# Altium PCB UmTRXv2.PcbDoc (part 15 of 25)
Units mm, origin at the board's own origin, x right, y up, seen from the top; angles counter-clockwise.
Board outline 159.5 x 99.5 mm, 6 copper layers (Top Layer, GND, MidLayer1, Mid-Layer 2, InternalPlane2, Bottom Layer), stack 1.526 mm thick; 708 components, 578 nets, 2802 pads, 1408 vias.
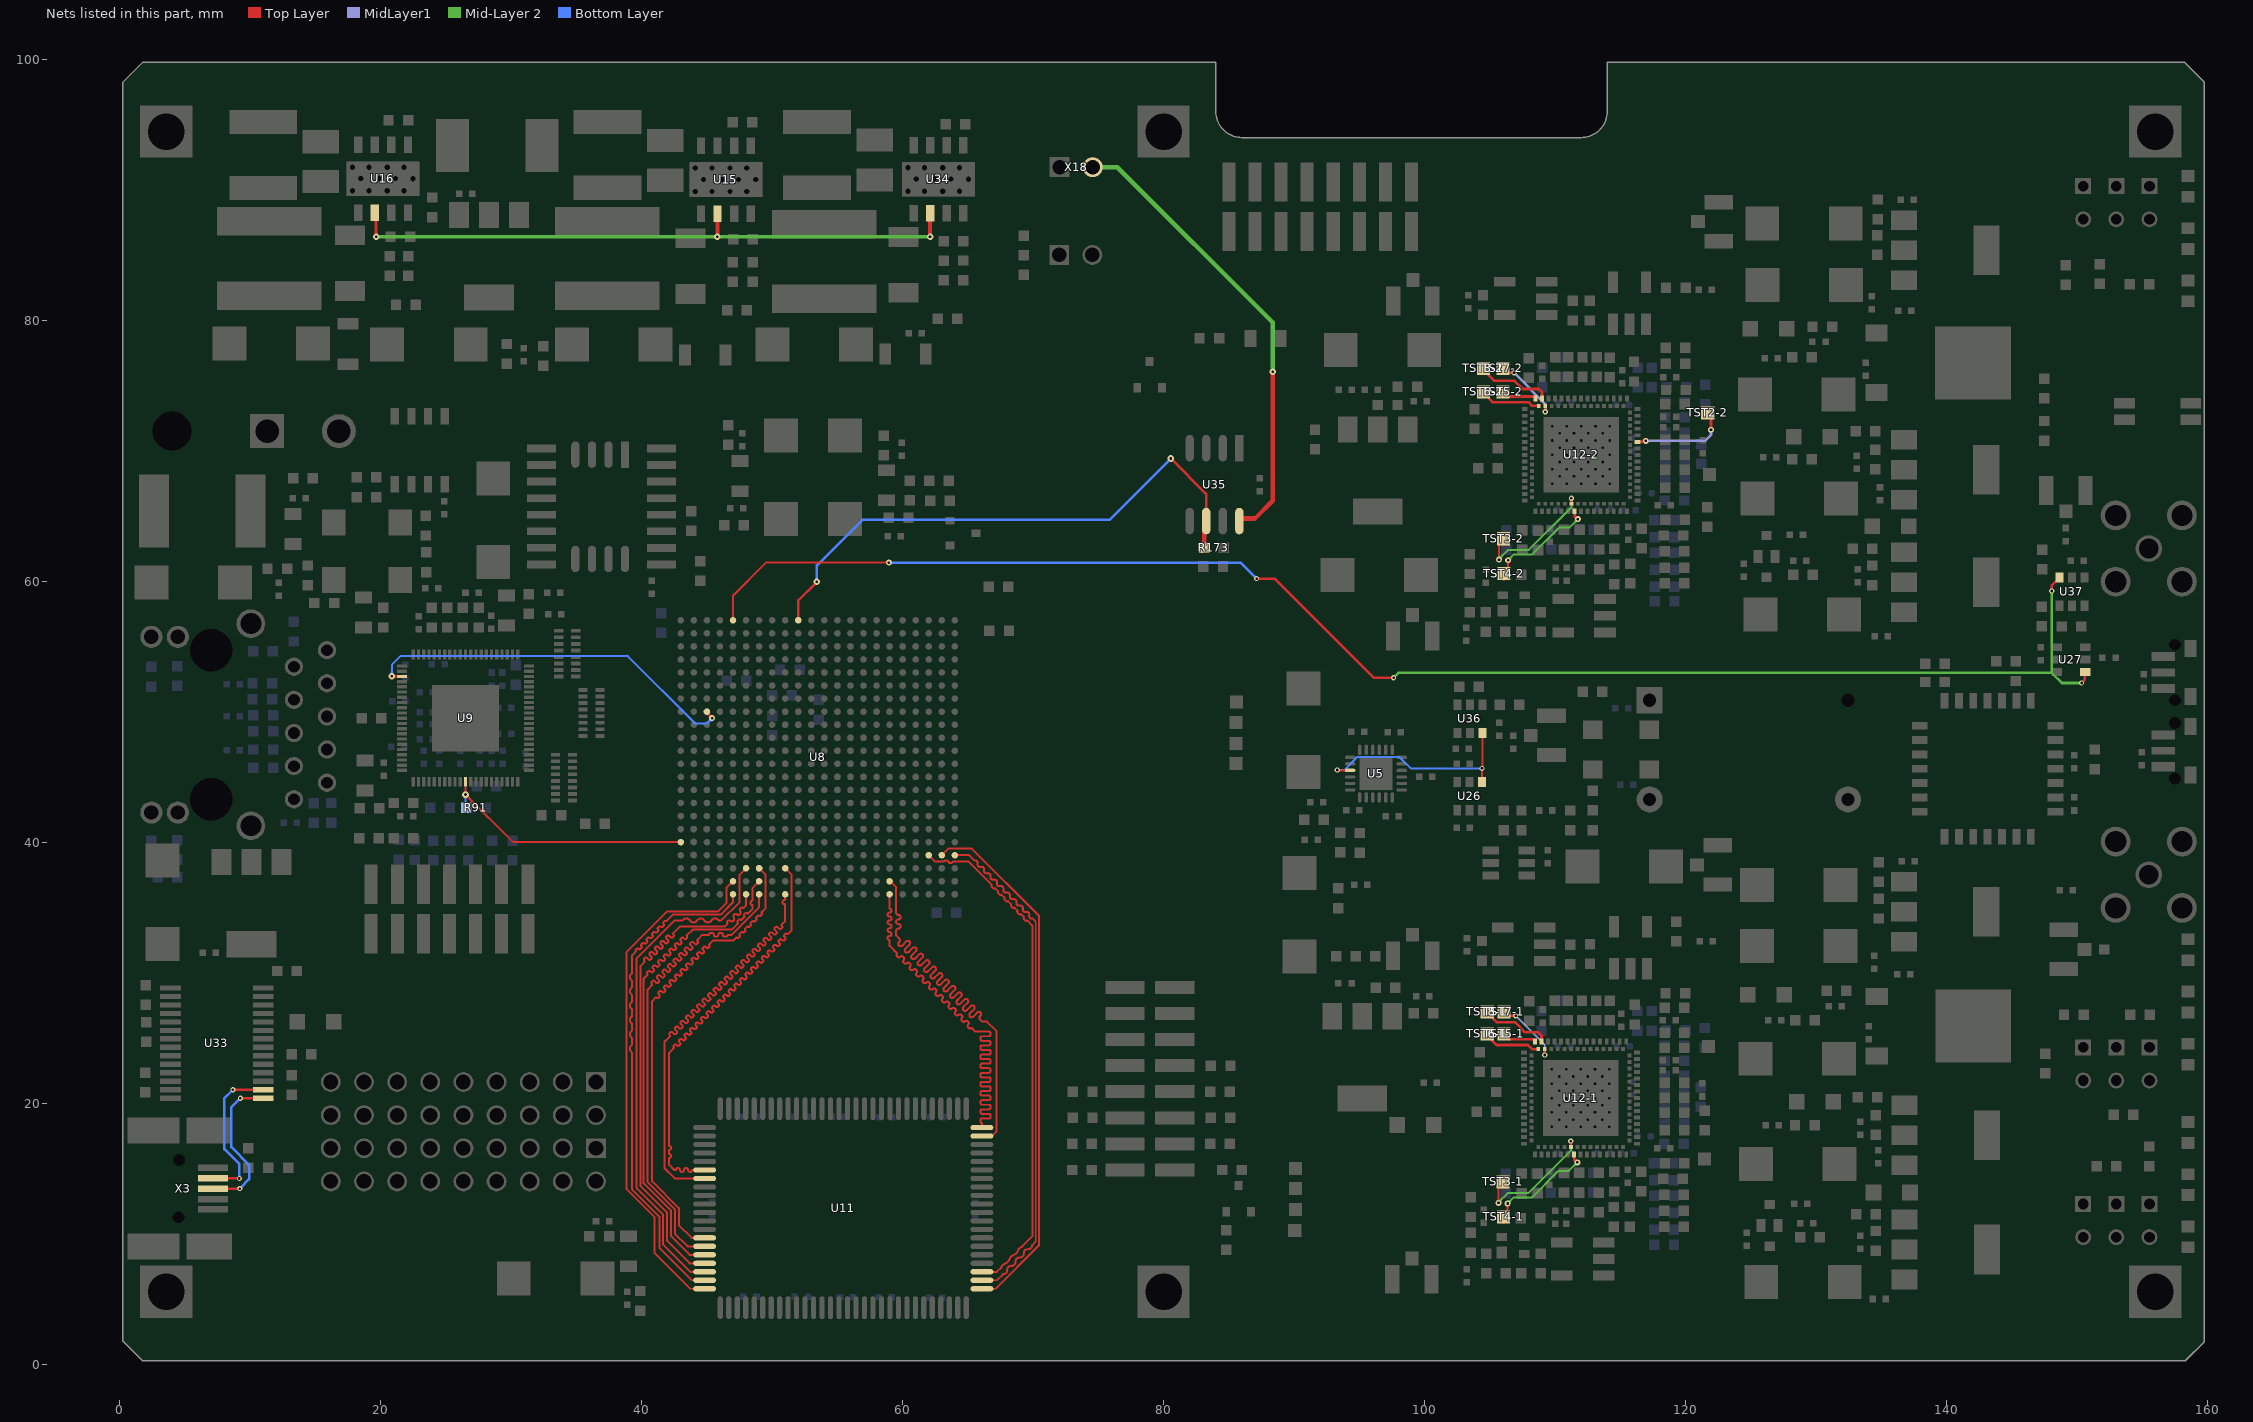
[diagram p19: the nets of this part, all layers, seen from the top]

## Via types
v1: diameter 0.5, hole 0.2, Top Layer to Bottom Layer, tented both sides, 441 vias
v2: diameter 0.45, hole 0.2, Top Layer to Bottom Layer, tented both sides, 429 vias
v3: diameter 0.7, hole 0.3, Top Layer to Bottom Layer, tented both sides, 258 vias
v4: diameter 0.4, hole 0.2, Top Layer to Bottom Layer, tented both sides, 197 vias
v5: diameter 0.8, hole 0.3, Top Layer to Bottom Layer, tented both sides, 61 vias
v6: diameter 0.6, hole 0.25, Top Layer to Bottom Layer, tented both sides, 16 vias
v7: diameter 0.6, hole 0.3, Top Layer to Bottom Layer, tented both sides, 4 vias
v8: diameter 1, hole 0.5, Top Layer to Bottom Layer, tented both sides, 2 vias

## Nets (pads, with @x,y where several pads share a name; then routed paths per layer and width w, separated by ;. In a path a pad name is that pad's centre, name@x,y a point inside that pad or via, vN(x,y) a via of type N, cw(c..) or ccw(c..) an arc to the next point about the centre after c; other vN are vias at no path point) (continued)
NetTST2-2_1: TST2-2.1 U12-2.77 | length 13
  Top Layer w0.2: U12-2.77@116.321,70.68 116.88,70.68 v2(116.95,70.75) ; TST2-2.1@121.7,72.9 121.95,72.65 v2(121.95,71.6) ; U12-2.77@116.479,70.68 ccw(c116.479,71.221) v2@116.862,70.838 ; U12-2.77@116.479,70.68 ccw(c116.479,71.221) v2@116.862,70.838 ; U12-2.77@116.479,70.68 ccw(c116.479,71.221) v2@116.862,70.838 ; v2@121.862,71.688 ccw(c121.648,71.902) 121.95,71.902 ; v2@121.862,71.688 ccw(c121.648,71.902) 121.95,71.902 ; v2@121.862,71.688 ccw(c121.648,71.902) 121.95,71.902 ; 121.95,71.902 ccw(c122.252,71.902) v2@122.038,71.688 ; 121.95,71.902 ccw(c122.252,71.902) v2@122.038,71.688 ; 121.95,71.902 ccw(c122.252,71.902) v2@122.038,71.688
  MidLayer1 w0.2: v2(116.95,70.75) 121.5,70.75 121.95,71.2 v2@121.95,71.441 ; v2@117.038,70.662 cw(c117.252,70.448) 117.252,70.75 ; v2@117.038,70.662 cw(c117.252,70.448) 117.252,70.75 ; v2@117.038,70.662 cw(c117.252,70.448) 117.252,70.75 ; v2@117.038,70.838 ccw(c117.252,71.052) 117.252,70.75 ; v2@117.038,70.838 ccw(c117.252,71.052) 117.252,70.75 ; v2@117.038,70.838 ccw(c117.252,71.052) 117.252,70.75 ; v2@121.862,71.512 cw(c121.648,71.298) 121.95,71.298 ; v2@121.862,71.512 cw(c121.648,71.298) 121.95,71.298 ; v2@121.862,71.512 cw(c121.648,71.298) 121.95,71.298 ; 121.95,71.298 cw(c122.252,71.298) v2@122.038,71.512 ; 121.95,71.298 cw(c122.252,71.298) v2@122.038,71.512 ; 121.95,71.298 cw(c122.252,71.298) v2@122.038,71.512
NetTST3-1_1: TST3-1.1 U12-1.41 | length 17.1
  Top Layer w0.15: v2(105.661,12.358) 105.661,13.608 TST3-1.1@106.011,13.958 ; v2@105.555,12.464 ccw(c105.299,12.72) 105.661,12.72 ; v2@105.555,12.464 ccw(c105.299,12.72) 105.661,12.72 ; v2@105.555,12.464 ccw(c105.299,12.72) 105.661,12.72 ; 105.661,12.72 ccw(c106.023,12.72) v2@105.767,12.464 ; 105.661,12.72 ccw(c106.023,12.72) v2@105.767,12.464 ; 105.661,12.72 ccw(c106.023,12.72) v2@105.767,12.464
  Top Layer w0.2: U12-1.41@111.207,16.638 v4@111.207,17.063 ; v4@111.136,17.017 cw(c110.966,16.847) 111.207,16.847 ; v4@111.136,17.017 cw(c110.966,16.847) 111.207,16.847 ; v4@111.136,17.017 cw(c110.966,16.847) 111.207,16.847 ; 111.207,16.847 cw(c111.448,16.847) v4@111.278,17.017 ; 111.207,16.847 cw(c111.448,16.847) v4@111.278,17.017 ; 111.207,16.847 cw(c111.448,16.847) v4@111.278,17.017
  Mid-Layer 2 w0.15: v4(111.207,17.088) 111.207,16.354 107.961,13.108 106.361,13.108 105.661,12.408 v2(105.661,12.358) ; v2(105.661,12.358) ccw(c105.565,12.658) 105.87,12.577 ; v2(105.661,12.358) ccw(c105.565,12.658) 105.87,12.577 ; v2(105.661,12.358) ccw(c105.565,12.658) 105.87,12.577 ; v2@105.661,12.508 ccw(c105.661,12.75) 105.832,12.579 ; v2@105.661,12.508 ccw(c105.661,12.75) 105.832,12.579 ; v2@105.661,12.508 ccw(c105.661,12.75) 105.832,12.579 ; v2@105.811,12.358 cw(c106.294,12.358) 105.952,12.7 ; v2@105.811,12.358 cw(c106.294,12.358) 105.952,12.7 ; v2@105.811,12.358 cw(c106.294,12.358) 105.952,12.7 ; v4@111.119,17 cw(c110.905,16.786) 111.207,16.786 ; v4@111.119,17 cw(c110.905,16.786) 111.207,16.786 ; v4@111.119,17 cw(c110.905,16.786) 111.207,16.786 ; 111.207,16.786 cw(c111.509,16.786) v4@111.295,17 ; 111.207,16.786 cw(c111.509,16.786) v4@111.295,17 ; 111.207,16.786 cw(c111.509,16.786) v4@111.295,17
NetTST3-2_1: TST3-2.1 U12-2.41 | length 17.3
  Top Layer w0.15: v2(105.7,61.65) 105.7,62.9 TST3-2.1@106.05,63.25 ; U12-2.41@111.246,65.93 111.25,65.934 v4(111.25,66.35) ; v2@105.594,61.756 ccw(c105.338,62.012) 105.7,62.012 ; v2@105.594,61.756 ccw(c105.338,62.012) 105.7,62.012 ; v2@105.594,61.756 ccw(c105.338,62.012) 105.7,62.012 ; 105.7,62.012 ccw(c106.062,62.012) v2@105.806,61.756 ; 105.7,62.012 ccw(c106.062,62.012) v2@105.806,61.756 ; 105.7,62.012 ccw(c106.062,62.012) v2@105.806,61.756 ; v4@111.162,66.262 cw(c110.948,66.048) U12-2.41@111.25,66.048 ; v4@111.162,66.262 cw(c110.948,66.048) U12-2.41@111.25,66.048 ; v4@111.162,66.262 cw(c110.948,66.048) U12-2.41@111.25,66.048 ; U12-2.41@111.25,66.048 cw(c111.552,66.048) v4@111.338,66.262 ; U12-2.41@111.25,66.048 cw(c111.552,66.048) v4@111.338,66.262 ; U12-2.41@111.25,66.048 cw(c111.552,66.048) v4@111.338,66.262
  Mid-Layer 2 w0.15: v4@111.246,66.38 111.246,65.646 108,62.4 106.4,62.4 105.7,61.7 v2(105.7,61.65) ; v2(105.7,61.65) ccw(c105.604,61.95) 105.909,61.869 ; v2(105.7,61.65) ccw(c105.604,61.95) 105.909,61.869 ; v2(105.7,61.65) ccw(c105.604,61.95) 105.909,61.869 ; v2@105.7,61.8 ccw(c105.7,62.041) 105.871,61.871 ; v2@105.7,61.8 ccw(c105.7,62.041) 105.871,61.871 ; v2@105.7,61.8 ccw(c105.7,62.041) 105.871,61.871 ; v2@105.85,61.65 cw(c106.333,61.65) 105.991,61.991 ; v2@105.85,61.65 cw(c106.333,61.65) 105.991,61.991 ; v2@105.85,61.65 cw(c106.333,61.65) 105.991,61.991 ; v4@111.162,66.262 cw(c110.958,66.058) 111.246,66.058 ; v4@111.162,66.262 cw(c110.958,66.058) 111.246,66.058 ; v4@111.162,66.262 cw(c110.958,66.058) 111.246,66.058 ; 111.246,66.038 cw(c111.562,66.038) v4@111.338,66.262 ; 111.246,66.038 cw(c111.562,66.038) v4@111.338,66.262 ; 111.246,66.038 cw(c111.562,66.038) v4@111.338,66.262
NetTST4-1_1: TST4-1.1 U12-1.42 | length 14.9
  Top Layer w0.15: TST4-1.1@106.061,10.808 106.361,11.108 v2(106.361,12.308) ; v2@106.255,12.202 cw(c105.999,11.946) 106.361,11.946 ; v2@106.255,12.202 cw(c105.999,11.946) 106.361,11.946 ; v2@106.255,12.202 cw(c105.999,11.946) 106.361,11.946 ; 106.361,11.946 cw(c106.723,11.946) v2@106.467,12.202 ; 106.361,11.946 cw(c106.723,11.946) v2@106.467,12.202 ; 106.361,11.946 cw(c106.723,11.946) v2@106.467,12.202
  Top Layer w0.2: U12-1.42@111.457,16.063 111.457,15.662 ; v2(111.711,15.458) 111.661,15.458 111.457,15.662 ; 111.457,15.662 ccw(c111.657,15.862) v2@111.694,15.582 ; 111.457,15.662 ccw(c111.657,15.862) v2@111.694,15.582 ; 111.457,15.662 ccw(c111.657,15.862) v2@111.694,15.582
  Mid-Layer 2 w0.15: v2(106.361,12.308) 106.811,12.758 108.211,12.758 110.261,14.808 111.061,14.808 v2(111.711,15.458) ; v2@106.361,12.458 ccw(c106.361,12.82) 106.617,12.564 ; v2@106.361,12.458 ccw(c106.361,12.82) 106.617,12.564 ; v2@106.361,12.458 ccw(c106.361,12.82) 106.617,12.564 ; v2@106.511,12.308 cw(c106.873,12.308) 106.617,12.564 ; v2@106.511,12.308 cw(c106.873,12.308) 106.617,12.564 ; v2@106.511,12.308 cw(c106.873,12.308) 106.617,12.564 ; 111.455,15.202 cw(c111.711,14.946) v2@111.711,15.308 ; 111.455,15.202 ccw(c111.199,15.458) v2@111.561,15.458 ; 111.455,15.202 ccw(c111.199,15.458) v2@111.561,15.458 ; 111.455,15.202 cw(c111.711,14.946) v2@111.711,15.308 ; 111.455,15.202 ccw(c111.199,15.458) v2@111.561,15.458 ; 111.455,15.202 cw(c111.711,14.946) v2@111.711,15.308
NetTST4-2_1: TST4-2.1 U12-2.42 | length 14.9
  Top Layer w0.15: TST4-2.1@106.1,60.1 106.4,60.4 v2(106.4,61.6) ; v2@106.294,61.494 cw(c106.038,61.238) 106.4,61.238 ; v2@106.294,61.494 cw(c106.038,61.238) 106.4,61.238 ; v2@106.294,61.494 cw(c106.038,61.238) 106.4,61.238 ; 106.4,61.238 cw(c106.762,61.238) v2@106.506,61.494 ; 106.4,61.238 cw(c106.762,61.238) v2@106.506,61.494 ; 106.4,61.238 cw(c106.762,61.238) v2@106.506,61.494
  Top Layer w0.2: U12-2.42@111.496,65.355 111.496,64.954 ; v2(111.75,64.75) 111.7,64.75 111.496,64.954 ; 111.496,64.954 ccw(c111.696,65.154) v2@111.733,64.874 ; 111.496,64.954 ccw(c111.696,65.154) v2@111.733,64.874 ; 111.496,64.954 ccw(c111.696,65.154) v2@111.733,64.874
  Mid-Layer 2 w0.15: v2(106.4,61.6) 106.85,62.05 108.25,62.05 110.3,64.1 111.1,64.1 v2(111.75,64.75) ; v2@106.4,61.75 ccw(c106.4,62.112) 106.656,61.856 ; v2@106.4,61.75 ccw(c106.4,62.112) 106.656,61.856 ; v2@106.4,61.75 ccw(c106.4,62.112) 106.656,61.856 ; v2@106.55,61.6 cw(c106.912,61.6) 106.656,61.856 ; v2@106.55,61.6 cw(c106.912,61.6) 106.656,61.856 ; v2@106.55,61.6 cw(c106.912,61.6) 106.656,61.856 ; 111.494,64.494 cw(c111.75,64.238) v2@111.75,64.6 ; 111.494,64.494 ccw(c111.238,64.75) v2@111.6,64.75 ; 111.494,64.494 ccw(c111.238,64.75) v2@111.6,64.75 ; 111.494,64.494 cw(c111.75,64.238) v2@111.75,64.6 ; 111.494,64.494 ccw(c111.238,64.75) v2@111.6,64.75 ; 111.494,64.494 cw(c111.75,64.238) v2@111.75,64.6
NetTST5-1_1: TST5-1.1 U12-1.116 | length 2.6
  Top Layer w0.2: TST5-1.1@106.1,25.3 106.512,24.888 108.282,24.888 U12-1.116@108.457,24.713
NetTST5-2_1: TST5-2.1 U12-2.116 | length 2.7
  Top Layer w0.2: TST5-2.1@106,74.5 106.35,74.15 108.425,74.15 108.496,74.079 U12-2.116@108.496,74.005
NetTST6-1_1: TST6-1.1 U12-1.115 | length 4.4
  Top Layer w0.2: TST6-1.1@104.737,25.237 105.525,24.45 107.925,24.45 108.237,24.138 U12-1.115@108.707,24.138
NetTST6-2_1: TST6-2.1 U12-2.115 | length 4.7
  Top Layer w0.2: TST6-2.1@104.462,74.463 105.2,73.725 107.951,73.725 108.246,73.43 U12-2.115@108.746,73.43
NetTST7-1_1: TST7-1.1 U12-1.113 | length 5.4
  Top Layer w0.2: TST7-1.1@106.1,27 106.4,26.7 v4(106.975,26.7) ; v4(109.207,23.688) U12-1.113@109.207,24.138
  MidLayer1 w0.15: v4(106.975,26.7) 109.207,24.468 v4(109.207,23.688)
NetTST7-2_1: TST7-2.1 U12-2.113 | length 5.4
  Top Layer w0.2: TST7-2.1@106,76.3 106.325,75.975 v4(106.85,75.975) ; v4(109.246,72.98) U12-2.113@109.246,73.43
  MidLayer1 w0.2: v4(106.85,75.975) 109.246,73.579 v4(109.246,72.98)
NetTST8-1_1: TST8-1.1 U12-1.114 | length 5.4
  Top Layer w0.2: TST8-1.1@104.762,26.962 105.525,26.2 106.925,26.2 107.7,25.425 108.725,25.425 108.957,25.193 U12-1.114@108.957,24.713
NetTST8-2_1: TST8-2.1 U12-2.114 | length 5.8
  Top Layer w0.2: TST8-2.1@104.45,76.25 105.35,75.35 106.9,75.35 107.525,74.725 108.767,74.725 108.996,74.496 U12-2.114@108.996,74.005
NetU5_3: U5.3 U26.4 U36.3 | length 16.7
  Top Layer w0.15: v4(93.3,45.525) 93.325,45.5 U5.3@94.3,45.5 ; U26.4@104.402,44.61 104.402,45.648 v4(104.4,45.65) 104.426,45.676 U36.3@104.426,48.365
  Bottom Layer w0.15: v4(93.3,45.525) 93.825,45.525 94.825,46.525 98.075,46.525 98.95,45.65 v4(104.4,45.65)
NetU15_2: U15.2 U16.2 U34.2 | length 47.5
  Top Layer w0.25: U16.2@19.538,88.242 19.65,88.13 v1(19.65,86.4)
  Top Layer w0.3: v1(45.8,86.4) U15.2@45.8,87.903 ; U34.2@62.063,88.042 62.1,88.005 v1(62.1,86.4)
  Mid-Layer 2 w0.25: v1(19.65,86.4) v1(45.8,86.4) v1(62.1,86.4)
NetU33_15: U33.15 X3.3 | length 11.6
  Top Layer w0.2: X3.3@7.4,13.45 v4(9.2,13.45) ; v4(9.25,20.375) U33.15@11,20.375
  Bottom Layer w0.2: v4(9.2,13.45) 9.925,14.175 9.925,15.25 8.55,16.625 8.55,19.686 9.239,20.375 v4(9.25,20.375)
NetU33_16: U33.16 X3.2 | length 11.7
  Top Layer w0.2: X3.2@7.4,14.25 v4@9.2,14.25 ; v4(8.675,21.025) U33.16@11,21.025
  Bottom Layer w0.2: v4(8.675,21.025) 8.025,20.375 8.025,16.475 9.175,15.325 v4(9.175,14.225)
NetU35_8: U35.8 X18.2 | length 35.6
  Top Layer w0.35: U35.8@85.65,64.8 87,64.8 88.35,66.15 v1(88.35,76.05)
  Mid-Layer 2 w0.35: X18.2@74.565,91.725 76.45,91.725 88.35,79.825 v1(88.35,76.05)
OVERHEAT: R173.2 U8.AB13 U35.6 | length 43.1
  Top Layer w0.2: U8.AB13@52,57 52,58.525 v1(53.425,59.95) ; v1(80.55,69.4) 83.265,66.685 U35.6@83.265,64.603
  Top Layer w0.35: R173.2@83.1,62.55 U35.6@83.1,64.438
  Bottom Layer w0.2: v1(53.425,59.95) 53.425,61.2 56.925,64.7 75.85,64.7 v1(80.55,69.4)
PHY_INTN: R91.2 U8.E22 U9.53 | length 28.1
  Top Layer w0.15: U9.53@26.5,44.625 v1(26.5,43.65) 30.15,40 U8.E22@43,40 ; v1@26.376,43.774 ccw(c26.078,44.072) 26.5,44.072 ; v1@26.376,43.774 ccw(c26.078,44.072) 26.5,44.072 ; v1@26.376,43.774 ccw(c26.078,44.072) 26.5,44.072 ; v1@26.495,43.626 cw(c26.43,43.306) 26.745,43.39 ; v1@26.495,43.626 cw(c26.43,43.306) 26.745,43.39 ; v1@26.495,43.626 cw(c26.43,43.306) 26.745,43.39 ; v1@26.5,43.475 cw(c26.5,43.053) 26.799,43.351 ; v1@26.5,43.475 cw(c26.5,43.053) 26.799,43.351 ; v1@26.5,43.475 cw(c26.5,43.053) 26.799,43.351 ; 26.5,44.072 ccw(c26.922,44.072) v1@26.624,43.774 ; 26.5,44.072 ccw(c26.922,44.072) v1@26.624,43.774 ; 26.5,44.072 ccw(c26.922,44.072) v1@26.624,43.774 ; v1@26.524,43.655 ccw(c26.844,43.72) 26.76,43.405 ; v1@26.524,43.655 ccw(c26.844,43.72) 26.76,43.405 ; v1@26.524,43.655 ccw(c26.844,43.72) 26.76,43.405 ; v1@26.675,43.65 ccw(c27.097,43.65) 26.799,43.351 ; v1@26.675,43.65 ccw(c27.097,43.65) 26.799,43.351 ; v1@26.675,43.65 ccw(c27.097,43.65) 26.799,43.351
  Bottom Layer w0.15: R91.2@26.5,42.65 v1(26.5,43.65) ; v1@26.376,43.526 cw(c26.078,43.228) 26.5,43.228 ; v1@26.376,43.526 cw(c26.078,43.228) 26.5,43.228 ; v1@26.376,43.526 cw(c26.078,43.228) 26.5,43.228 ; 26.5,43.228 cw(c26.922,43.228) v1@26.624,43.526 ; 26.5,43.228 cw(c26.922,43.228) v1@26.624,43.526 ; 26.5,43.228 cw(c26.922,43.228) v1@26.624,43.526
PHY_RESETN: U8.R20 U9.24 | length 40.6
  Top Layer w0.15: v1(20.85,52.7) 20.85,52.65 20.9,52.7 U9.24@21.625,52.7 ; U8.R20@45,50 45,49.9 v2(45.4,49.5) ; 45.199,49.689 ccw(c45.453,49.757) v2(45.4,49.5) ; 45.211,49.701 cw(c45.143,49.447) v2(45.4,49.5) ; v2@45.225,49.5 ccw(c44.803,49.5) 45.101,49.799 ccw(c45.4,50.097) v2@45.4,49.675 ; v1@20.974,52.576 cw(c21.272,52.278) U9.24@21.272,52.7 ; v1@20.974,52.576 cw(c21.272,52.278) U9.24@21.272,52.7 ; v1@20.974,52.576 cw(c21.272,52.278) U9.24@21.272,52.7 ; v1@20.974,52.824 ccw(c21.273,53.123) U9.24@21.273,52.7 ; v1@20.974,52.824 ccw(c21.273,53.123) U9.24@21.273,52.7 ; v1@20.974,52.824 ccw(c21.273,53.123) U9.24@21.273,52.7 ; 45.144,49.756 cw(c44.888,49.5) 45.25,49.5 ccw(c44.888,49.5) 45.144,49.756 ; 45.144,49.756 ccw(c45.4,50.012) 45.4,49.65 cw(c45.4,50.012) 45.144,49.756 ; v2(45.4,49.5) cw(c45.491,49.83) 45.16,49.741 ccw(c45.491,49.83) v2(45.4,49.5) ; v2(45.4,49.5) ccw(c45.07,49.409) 45.159,49.74 cw(c45.07,49.409) v2(45.4,49.5)
  Bottom Layer w0.15: v1(20.85,52.7) 20.85,53.6 21.5,54.25 38.95,54.25 44.125,49.075 44.975,49.075 v2(45.4,49.5) ; v2@45.225,49.5 cw(c44.803,49.5) 45.101,49.201 cw(c45.4,48.903) v2@45.4,49.325 ; v1@20.726,52.824 ccw(c20.428,53.122) 20.85,53.122 ; v1@20.726,52.824 ccw(c20.428,53.122) 20.85,53.122 ; v1@20.726,52.824 ccw(c20.428,53.122) 20.85,53.122 ; 20.85,53.122 ccw(c21.272,53.122) v1@20.974,52.824 ; 20.85,53.122 ccw(c21.272,53.122) v1@20.974,52.824 ; 20.85,53.122 ccw(c21.272,53.122) v1@20.974,52.824 ; 45.144,49.244 cw(c45.4,48.988) 45.4,49.35 ccw(c45.4,48.988) 45.144,49.244 ; 45.144,49.244 ccw(c44.888,49.5) 45.25,49.5 cw(c44.888,49.5) 45.144,49.244 ; v2(45.4,49.5) ccw(c45.491,49.17) 45.16,49.259 cw(c45.491,49.17) v2(45.4,49.5) ; v2(45.4,49.5) cw(c45.07,49.591) 45.159,49.26 ccw(c45.07,49.591) v2(45.4,49.5)
PPS_IN: U8.AB18 U27.4 U37.3 | length 118.9
  Top Layer w0.15: U8.AB18@47,57 47,58.9 49.525,61.425 v2(58.95,61.425)
  Top Layer w0.2: v4(87.125,60.2) 88.5,60.2 96.1,52.6 v4(97.625,52.6) ; v4(148.062,59.25) 148.062,59.68 U37.3@148.662,60.28 ; v4(150.35,52.2) 150.6,52.45 150.6,53.022 U27.4@150.615,53.037
  Mid-Layer 2 w0.2: v4(97.625,52.6) 98,52.975 148.062,52.975 ; v4(148.062,59.25) 148.062,52.975 ; v4(150.35,52.2) 148.837,52.2 148.062,52.975
  Bottom Layer w0.2: v2(58.95,61.425) 85.9,61.425 v4(87.125,60.2)
RAM_A00: U8.A14 U11.37 | length 40.3
  Top Layer w0.15: 42.361,25.425 ccw(c42.277,25.34) 42.192,25.425 42.149,25.382 ccw(c42.234,25.297) 42.149,25.213 cw(c42.093,25.156) 42.149,25.099 41.75,24.7 41.75,15 42.525,14.225 U11.37@44.825,14.225 ; 42.362,25.425 42.418,25.368 42.475,25.312 ccw(c42.56,25.396) 42.644,25.311 42.687,25.354 ccw(c42.602,25.439) 42.687,25.524 42.574,25.637 ; 42.574,25.637 cw(c42.659,25.722) 42.574,25.806 ; 42.574,25.807 42.616,25.849 cw(c42.701,25.764) 42.786,25.849 42.842,25.792 42.899,25.736 ccw(c42.984,25.821) 43.069,25.736 43.111,25.778 ccw(c43.026,25.863) 43.111,25.948 43.055,26.005 42.998,26.061 cw(c43.083,26.146) 42.998,26.231 43.04,26.273 cw(c43.125,26.188) 43.21,26.273 43.267,26.217 43.323,26.16 ccw(c43.408,26.245) 43.493,26.16 43.535,26.203 ccw(c43.451,26.287) 43.535,26.372 43.479,26.429 43.422,26.485 cw(c43.507,26.57) 43.422,26.655 43.465,26.698 cw(c43.55,26.613) 43.634,26.698 43.691,26.641 43.748,26.584 ccw(c43.832,26.669) 43.917,26.584 43.96,26.627 ccw(c43.875,26.712) 43.96,26.797 43.903,26.853 43.847,26.91 cw(c43.931,26.995) 43.846,27.079 ; 43.847,27.079 43.889,27.122 cw(c43.974,27.037) 44.059,27.122 44.115,27.065 44.172,27.009 ccw(c44.257,27.094) 44.341,27.009 ; 44.342,27.009 44.384,27.051 ccw(c44.299,27.136) 44.384,27.221 44.271,27.334 cw(c44.356,27.419) 44.271,27.504 44.313,27.546 cw(c44.398,27.461) 44.483,27.546 44.54,27.49 44.596,27.433 ccw(c44.681,27.518) 44.766,27.433 ; 44.766,27.433 44.808,27.475 ccw(c44.723,27.56) 44.808,27.645 44.752,27.702 44.695,27.758 cw(c44.78,27.843) 44.695,27.928 44.738,27.97 cw(c44.822,27.885) 44.907,27.97 44.964,27.914 45.02,27.857 ccw(c45.105,27.942) 45.19,27.857 45.232,27.9 ccw(c45.148,27.984) 45.233,28.069 45.176,28.126 45.119,28.182 cw(c45.204,28.267) 45.119,28.352 45.162,28.395 cw(c45.247,28.31) 45.331,28.395 45.388,28.338 45.445,28.281 ccw(c45.529,28.366) 45.614,28.281 45.657,28.324 ; 45.586,28.819 45.544,28.776 ccw(c45.628,28.692) 45.544,28.607 45.6,28.55 45.657,28.494 cw(c45.572,28.409) 45.657,28.324 ; 45.586,28.819 cw(c45.671,28.734) 45.756,28.819 45.812,28.762 45.869,28.706 ccw(c45.954,28.791) 46.038,28.706 46.081,28.748 ccw(c45.996,28.833) 46.081,28.918 46.024,28.974 45.968,29.031 cw(c46.053,29.116) 45.968,29.201 46.01,29.243 ; 46.01,29.243 cw(c46.095,29.158) 46.18,29.243 46.237,29.187 46.293,29.13 ccw(c46.378,29.215) 46.463,29.13 46.505,29.172 ccw(c46.42,29.257) 46.505,29.342 46.449,29.399 46.392,29.455 cw(c46.477,29.54) 46.392,29.625 46.435,29.667 cw(c46.519,29.583) 46.604,29.667 46.661,29.611 46.717,29.554 ccw(c46.802,29.639) 46.887,29.554 46.93,29.597 ccw(c46.845,29.682) 46.93,29.766 46.873,29.823 46.816,29.88 cw(c46.901,29.964) 46.816,30.049 46.859,30.092 ; 46.859,30.092 cw(c46.944,30.007) 47.028,30.092 ; 47.029,30.092 47.142,29.979 ccw(c47.227,30.063) 47.311,29.978 47.354,30.021 ccw(c47.269,30.106) 47.354,30.191 47.297,30.247 47.241,30.304 cw(c47.326,30.389) 47.24,30.473 47.283,30.516 cw(c47.368,30.431) 47.453,30.516 47.509,30.459 47.566,30.403 ccw(c47.651,30.488) 47.735,30.403 47.778,30.445 ; 47.778,30.445 ccw(c47.693,30.53) 47.778,30.615 47.721,30.671 47.665,30.728 cw(c47.75,30.813) 47.665,30.898 47.707,30.94 cw(c47.792,30.855) 47.877,30.94 47.934,30.884 47.99,30.827 ccw(c48.075,30.912) 48.16,30.827 48.202,30.869 ccw(c48.117,30.954) 48.202,31.039 48.146,31.096 48.089,31.152 cw(c48.174,31.237) 48.089,31.322 48.132,31.364 cw(c48.216,31.28) 48.301,31.364 48.358,31.308 48.414,31.251 ccw(c48.499,31.336) 48.584,31.251 ; 48.584,31.251 48.627,31.294 ccw(c48.542,31.379) 48.627,31.463 48.57,31.52 48.513,31.577 cw(c48.598,31.661) 48.513,31.746 48.556,31.789 cw(c48.641,31.704) 48.725,31.789 ; 48.726,31.789 48.839,31.676 ; 48.839,31.675 ccw(c48.924,31.76) 49.008,31.675 ; 48.938,32.001 cw(c49.023,32.086) 48.938,32.171 48.98,32.213 cw(c49.065,32.128) 49.15,32.213 49.206,32.156 49.263,32.1 ccw(c49.348,32.185) 49.433,32.1 49.475,32.142 ccw(c49.39,32.227) 49.475,32.312 49.419,32.369 49.362,32.425 cw(c49.447,32.51) 49.362,32.595 ; 48.938,32.001 48.994,31.944 49.051,31.888 cw(c48.966,31.803) 49.051,31.718 49.008,31.676 ; 49.362,32.595 49.404,32.637 cw(c49.489,32.552) 49.574,32.637 49.631,32.581 49.687,32.524 ccw(c49.772,32.609) 49.857,32.524 49.899,32.567 ccw(c49.815,32.651) 49.899,32.736 49.843,32.793 49.786,32.849 cw(c49.871,32.934) 49.786,33.019 49.829,33.062 cw(c49.914,32.977) 49.998,33.062 50.055,33.005 50.112,32.948 ccw(c50.196,33.033) 50.281,32.948 50.324,32.991 ccw(c50.239,33.076) 50.324,33.16 50.267,33.217 50.21,33.274 cw(c50.295,33.358) 50.21,33.443 ; 50.21,33.443 50.253,33.486 cw(c50.338,33.401) 50.423,33.486 50.479,33.429 50.536,33.373 ccw(c50.621,33.457) 50.705,33.372 50.748,33.415 ccw(c50.663,33.5) 50.748,33.585 cw(c50.804,33.641) 50.748,33.698 51,33.95 51,35.2 ccw(c50.95,35.2) 50.95,35.25 50.92,35.25 cw(c50.92,35.37) 50.8,35.37 50.8,35.43 cw(c50.92,35.43) 50.92,35.55 ccw(c50.92,35.63) 51,35.63 U8.A14@51,36